# Altium PCB LPC4357_SDRAM_v0.2.PcbDoc (part 3 of 3) (continued)
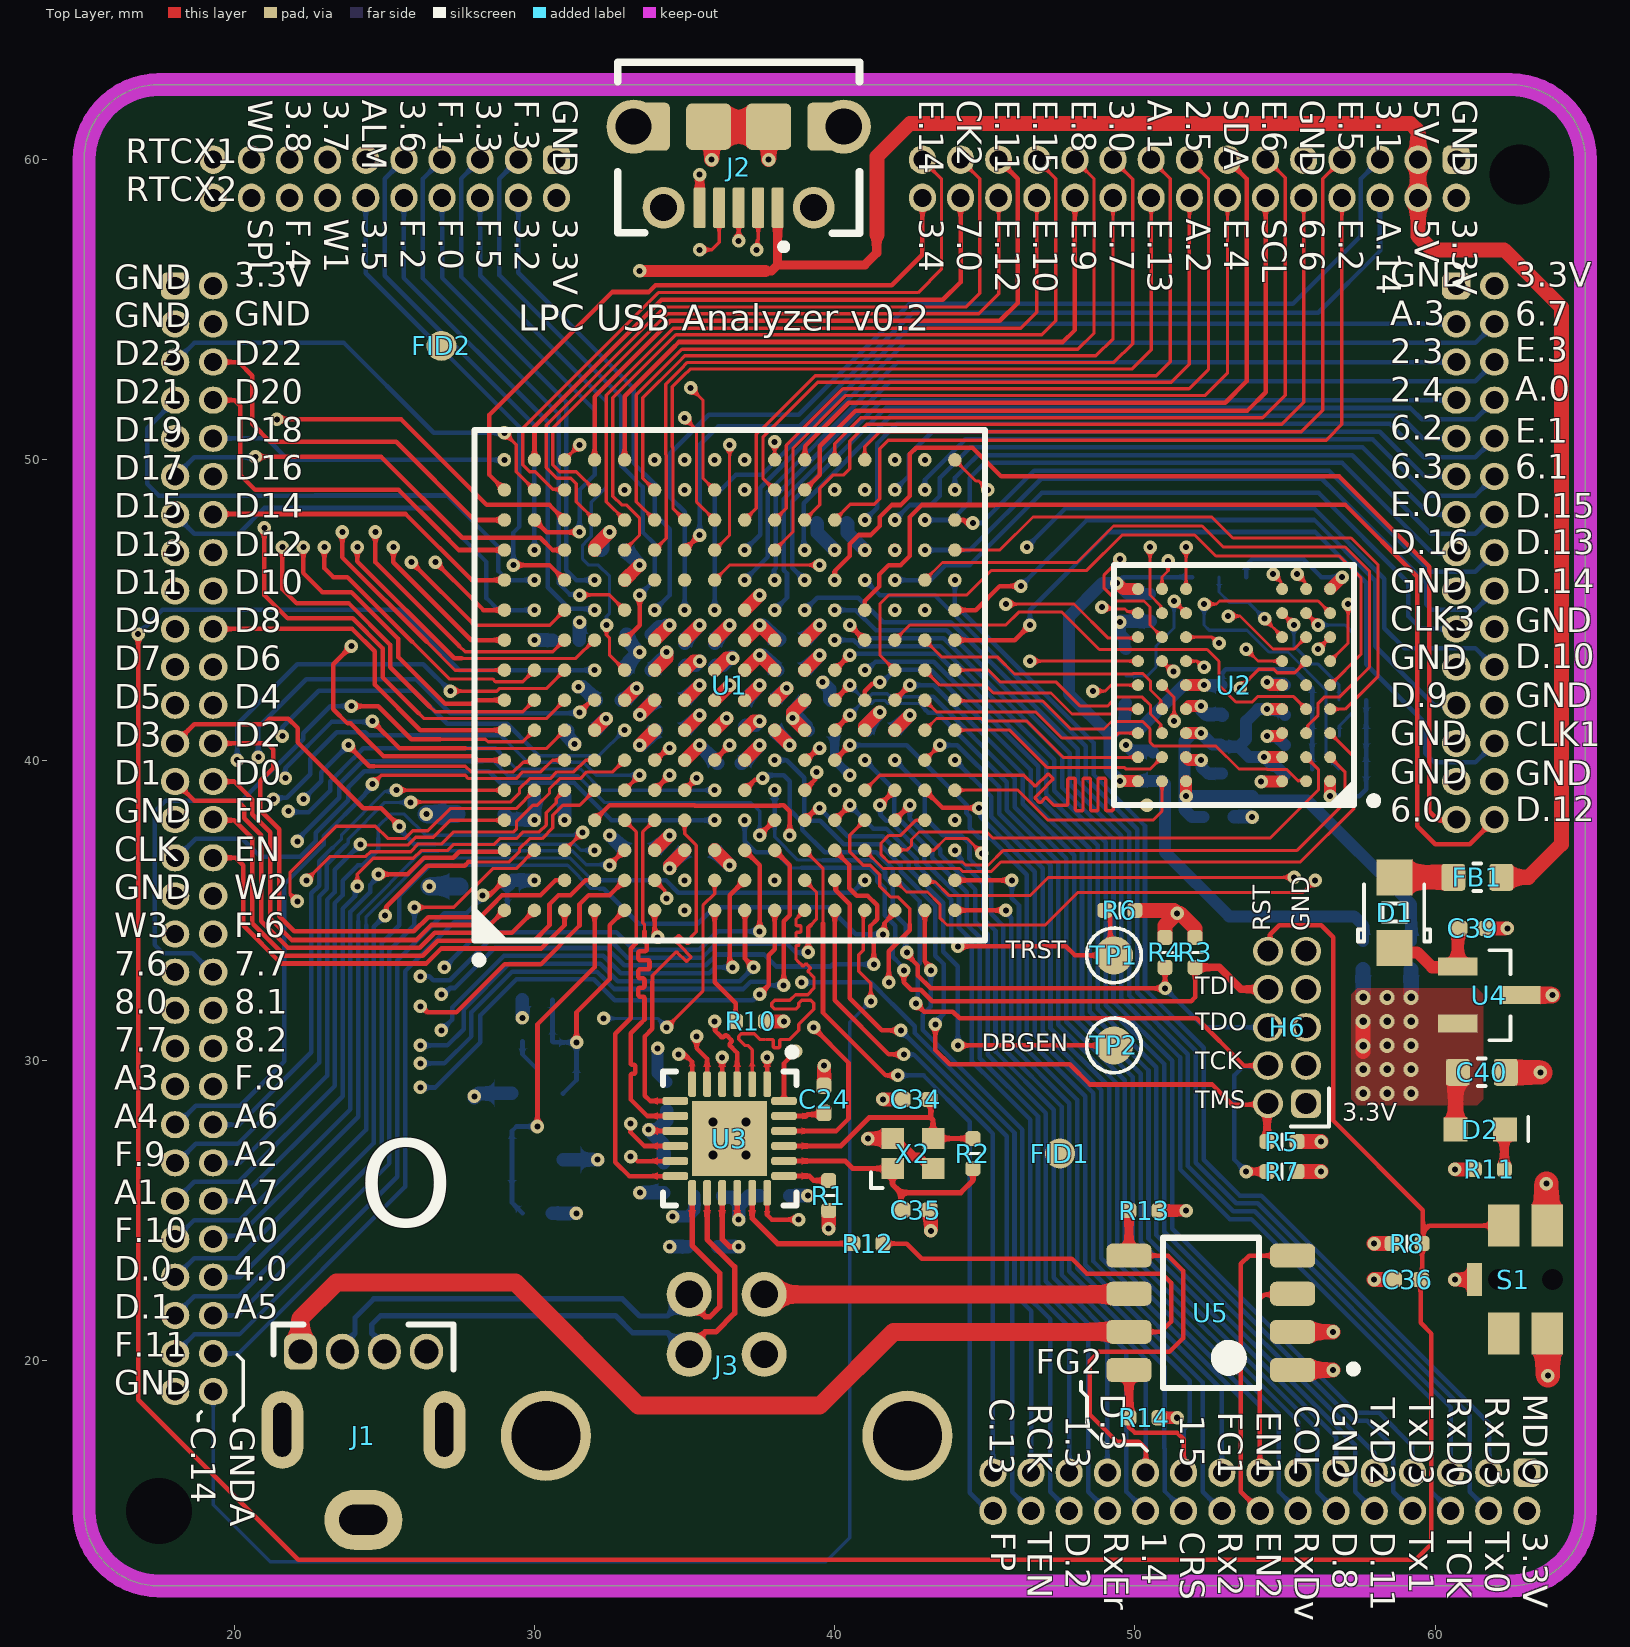
[diagram p0: Top Layer view]
## Nets (pads, with @x,y where several pads share a name; then routed paths per layer and width w, separated by ;. In a path a pad name is that pad's centre, name@x,y a point inside that pad or via, vN(x,y) a via of type N, cw(c..) or ccw(c..) an arc to the next point about the centre after c; other vN are vias at no path point) (continued)
ULPI_D0: U1.N4 U3.4 | length 16.3
  Top Layer w0.11: U1.N4@41,38 40.5,37.5 40.5,36.948 40.948,36.5 41.189,36.5 41.5,36.189 41.5,35.8 41.855,35.445 42.107,35.445 42.5,35.052 42.5,34.532
  Top Layer w0.152: U3.4@36.25,29.21 36.25,30.05 v1@36.3,30.1 ; v1(41.8,32.6) 41.8,33.641 42.5,34.341 42.5,34.532
  Int2 (PWR) w0.152: v1(36.25,30.1) 37.25,29.1 40,29.1 41.772,30.872 41.772,32.572 v1(41.8,32.6)
ULPI_D1: U1.G5 U3.5 | length 12.4
  Top Layer w0.152: U1.G5@35,39 v1(35.4,39.4) ; v1(35.4,30.8) 35.4,30.4 35.75,30.05 U3.5@35.75,29.21
  Int2 (PWR) w0.152: v1(35.4,30.8) 35.4,33.288 36.911,34.799 36.911,36.889 36.5,37.3 36.5,38.217 36.217,38.5 35.811,38.5 35.4,38.912 v1(35.4,39.4)
ULPI_D2: U1.H6 U3.6 | length 14.2
  Top Layer w0.152: v1(34.8,30.2) 35,30.2 35.25,29.95 U3.6@35.25,29.21 ; U1.H6@36,40 v1(36.5,40.5)
  Int2 (PWR) w0.152: v1(34.8,30.2) 34.8,30.66 34.9,30.76 34.9,33.159 36.024,34.283 36.024,36.639 35.549,37.114 35.549,38.392 34.989,38.952 34.989,39.57 35.419,40 36,40 v1(36.5,40.5)
ULPI_D3: U1.G4 U3.7 | length 12.8
  Top Layer w0.11: 33.926,32.626 33.926,32.826 34.127,33.027 34.695,33.595 cw(c34.726,33.564) 34.757,33.595 35.033,33.319 ccw(c35.064,33.35) 35.095,33.319 35.189,33.412 ccw(c35.158,33.443) 35.189,33.475 34.882,33.782 34.679,33.985 cw(c34.71,34.016) 34.679,34.047 34.772,34.14 cw(c34.803,34.109) 34.834,34.14 35.037,33.937 35.068,33.906 ccw(c35.099,33.937) 35.131,33.906 35.224,33.999 ccw(c35.193,34.031) 35.224,34.062 cw(c35.255,34.093) 35.224,34.124 35.271,34.171 35.39,34.29 35.39,37.162 35,37.552 U1.G4@35,38
  Top Layer w0.152: 33.926,32.626 33.926,31.053 33.672,30.8 33.672,28.828 33.85,28.65 U3.7@34.69,28.65
ULPI_D4: U1.F4 U3.8 | length 13
  Top Layer w0.11: 33.664,34.3 33.664,34.536 33.61,34.59 33.61,37.61 U1.F4@34,38
  Top Layer w0.152: 33.664,34.3 33.664,34.252 33.664,33.948 33.679,33.948 cw(c33.679,33.887) 33.74,33.887 33.74,33.704 cw(c33.679,33.704) 33.679,33.644 33.664,33.644 33.523,33.644 ccw(c33.523,33.583) 33.462,33.583 33.462,33.4 ccw(c33.523,33.4) 33.523,33.34 33.664,33.34 33.77,33.34 cw(c33.77,33.279) 33.83,33.279 33.83,33.096 cw(c33.77,33.096) 33.77,33.036 33.664,33.036 33.523,33.036 ccw(c33.523,32.975) 33.462,32.975 33.462,32.792 ccw(c33.523,32.792) 33.523,32.732 33.603,32.732 cw(c33.603,32.671) 33.664,32.671 33.664,32.488 cw(c33.603,32.488) 33.603,32.428 33.523,32.428 ccw(c33.523,32.367) 33.462,32.367 33.462,32.184 ccw(c33.523,32.184) 33.523,32.124 33.603,32.124 cw(c33.603,32.063) 33.664,32.063 33.664,31.82 33.664,31.516 33.664,31.364 33.522,31.222 33.307,31.007 33.2,30.9 33.2,30.882 33.2,30.578 33.2,30.426 33.2,30.175 33.2,29.918 ccw(c33.261,29.918) 33.261,29.857 33.296,29.857 cw(c33.296,29.797) 33.357,29.797 33.357,29.614 cw(c33.296,29.614) 33.296,29.553 33.261,29.553 ccw(c33.261,29.493) 33.2,29.493 33.2,29.249 33.2,29.097 33.2,28.7 33.75,28.15 U3.8@34.69,28.15
ULPI_D5: U1.F5 U3.10 | length 15.9
  Top Layer w0.152: v1(33.2,27.899) 33.2,27.6 33.65,27.15 U3.10@34.69,27.15 ; U1.F5@34,39 v1(34.5,39.5)
  Int2 (PWR) w0.152: v1(33.2,27.899) 33.2,28.9 33.5,29.2 33.5,32.2 35.762,34.462 35.762,36.53 35.287,37.006 35.287,38.284 34.727,38.844 34.524,39.047 34.524,39.476 v1(34.5,39.5)
ULPI_D6: U1.F6 U3.11 | length 18
  Top Layer w0.152: v1(33.2,26.8) 33.281,26.8 33.431,26.65 U3.11@34.69,26.65 ; U1.F6@34,40 34.05,40 34.45,40.4 v1(34.5,40.4)
  Int2 (PWR) w0.152: v1(33.2,26.8) 32.772,27.228 32.772,29.001 33.2,29.429 33.2,32.4 35.5,34.7 35.5,36.422 35,36.922 35,38.2 34,39.2 34,40 34.128,40.128 34.147,40.128 34.419,40.4 v1(34.5,40.4)
ULPI_D7: U1.E4 U3.12 | length 14
  Top Layer w0.11: U1.E4@33,38 33.39,37.61 33.39,34
  Top Layer w0.152: 33.39,34 33.39,33.91 33.2,33.72 33.2,31.4 32.689,30.889 32.689,26.611 33.15,26.15 U3.12@34.69,26.15
ULPI_DIR: U1.L5 U3.1 | length 12.4
  Top Layer w0.152: U3.1@37.75,29.21 v1(37.75,30.1) ; U1.L5@39,39 39.343,39.343 39.343,39.543 v1(39.4,39.6)
  Int2 (PWR) w0.152: v1(37.75,30.1) 38.872,31.222 38.872,31.46 39.545,32.133 39.545,34.744 39.518,34.771 39.518,37.382 38.869,38.031 38.869,39.069 v1(39.4,39.6)
ULPI_NXT: U1.K2 U3.3 | length 8.7
  Top Layer w0.152: v1(36,31.3) 36.018,31.282 36.018,30.982 36.15,30.85 36.214,30.786 ccw(c36.257,30.829) 36.3,30.786 36.331,30.816 cw(c36.374,30.773) 36.417,30.816 36.546,30.687 cw(c36.503,30.644) 36.546,30.602 36.515,30.571 ccw(c36.558,30.528) 36.515,30.485 36.687,30.313 36.75,30.25 36.75,30.211 U3.3@36.75,29.21
  Int2 (PWR) w0.152: v1(36,31.3) 35.8,31.5 35.8,31.755 35.8,31.847 ccw(c35.739,31.847) 35.739,31.907 35.723,31.907 cw(c35.723,31.968) 35.662,31.968 35.662,32.151 cw(c35.723,32.151) 35.723,32.211 35.739,32.211 ccw(c35.739,32.272) 35.8,32.272 35.8,32.455 ccw(c35.739,32.455) 35.739,32.515 35.723,32.515 cw(c35.723,32.576) 35.662,32.576 35.662,32.759 cw(c35.723,32.759) 35.723,32.819 35.739,32.819 ccw(c35.739,32.88) 35.8,32.88 35.8,33.123 35.8,33.3 35.907,33.407 36.122,33.622 36.337,33.837 36.552,34.052 36.767,34.267 36.982,34.482 37.03,34.53 37.982,35.482 37.982,35.982 v2(38,36)
ULPI_RESET: U1.L6 U3.22 | length 17.1
  Top Layer w0.152: U3.22@38.31,27.65 40.05,27.65 40.459,28.059 40.459,29.929 39.288,31.1 v1(39.3,31.1) ; U1.L6@39,40 39.05,40 39.45,40.4 v1(39.5,40.4)
  Int2 (PWR) w0.11: 39.533,37.738 39.11,38.161 39.11,38.691 40,39.582 40,40
  Int2 (PWR) w0.152: v1(39.3,31.1) 39.807,31.607 39.807,37.464 39.533,37.738 ; v1(39.5,40.4) 39.5,40.5 40,40
ULPI_STP: U1.M5 U3.24 | length 11.4
  Top Layer w0.152: U3.24@38.31,28.65 38.31,29.91 v1(38.7,30.3)
  Int2 (PWR) w0.152: v1(38.7,30.3) 38.718,30.318 39.218,30.318 40.072,31.172 40.072,31.406 40.069,31.408 40.069,38.031 40,38.1 v2(40,39)
USB0_D_N: J2.2 U1.G2 | length 29.5
  Top Layer w0.127: v1(37.4,57) 37.427,57.027 37.427,57.307 37.453,57.333 37.453,58.503 J2.2@37.45,58.505
  Int2 (PWR) w0.127: v2(35,36) 34.9,35.9 34.117,35.9 33.6,36.417 33.6,37.817 31.81,39.607 31.41,39.607 30.833,40.184 30.833,43.133 31,43.3 31,52.19 33.603,54.793 36.41,54.793 37.053,55.436 37.053,56.653 v1(37.4,57)
USB0_D_P: J2.3 U1.F2 | length 30.3
  Top Layer w0.127: U1.F2@34,36 34.338,35.662 34.338,35.462 v1(34.4,35.4) ; v1(36.8,57.3) J2.3@36.8,58.4
  Int2 (PWR) w0.127: v1(34.4,35.4) 33.9,35.4 33.18,36.12 33.18,37.52 31.6,39.1 31.2,39.1 30.326,39.974 30.326,43.243 30.493,43.41 30.493,52.4 33.393,55.3 36.2,55.3 36.546,55.646 36.546,56.97 36.8,57.224 v1(36.8,57.3)
USB0_ID: J2.4 U1.H2 | length 42.5
  Top Layer w0.11: v1(34.4,31.1) 35.61,32.31 35.61,35.162 36,35.552 U1.H2@36,36 ; v1(35.5,57) 35.9,57 36.15,57.25 J2.4@36.15,58.4
  Int2 (PWR) w0.11: v1(32.3,31.4) 32.3,31.5 29.5,34.3 29.5,37 28.6,37.9 28.6,49.477 28.348,49.73 28.348,51.17 28.6,51.423 28.6,54.6 31,57 v1(35.5,57)
  Bottom Layer w0.11: v1(32.3,31.4) 34.1,31.4 v1(34.4,31.1)
USB0_VBUS: FB1.1 H3.3 H3.4 J2.1 U1.F1 | length 91.7
  Top Layer w0.152: U1.F1@34,35 34,34.281 34.1,34.181 v1(34.1,34.1)
  Top Layer w0.3: 37.7,56.3 37.9,56.3 38.1,56.5 ; J2.1@38.1,58.4 38.1,56.5 ; 41.4,57.5 41.4,56.9 41,56.5 38.1,56.5
  Top Layer w0.4: v1(33.5,56.3) 37.7,56.3
  Top Layer w0.5: 41.4,57.5 41.4,60.1 42.5,61.2 59.182,61.2 59.43,60.952 H3.3@59.43,60 ; H3.3@59.353,60.077 H3.3@59.43,60 ; H3.3@59.456,60.026 H3.3@59.43,60 ; FB1.1@62.2,36.1 63.1,36.1 64.2,37.2 64.2,55.095 62.295,57 59.89,57 59.43,57.46 H3.4@59.43,58.73 H3.3@59.43,60
  Int2 (PWR) w0.152: v1(33.5,56.3) 31,56.3 28.841,54.141 28.841,51.323 28.589,51.07 28.589,49.83 28.841,49.577 28.841,38.059 30.474,36.426 30.474,35.626 32,34.1 v1(34.1,34.1)
USB1_DM: U1.G12
USB1_DP: U1.F12
VBAT: C23.1 FB6.2 U3.16 | length 2.9
  Top Layer w0.178: U3.16@36.75,25.59 36.75,24.75 v1(36.8,24.7)
  Bottom Layer w0.45: FB6.2@36.275,25.5 36.275,25.475 36.3,25.45 36.586,25.45 36.8,25.236 36.8,25.15 ; v1(36.8,24.7) 36.8,25.15 ; C23.1@37.5,25.5 37.15,25.5 36.8,25.15
VBUS: R12.2 U3.17 | length 4.5
  Top Layer w0.178: U3.17@37.25,25.59 37.25,24.75 38.1,23.9 R12.2@40.6,23.9
VDD: C27.1 C32.1 C33.1 FB5.1 R15.1 R16.1 R17.1 R18.1 R19.1 U2.A9 U2.E7 U2.J9 | length 37.5
  Top Layer w0.4: v3(49.4,45.9) 49.414,45.9 49.614,45.7 U2.J9@50.1,45.7 ; v1(49.5,39.3) U2.A9@50.1,39.3 ; U2.E7@51.7,42.5 v1@52.2,42.5
  Bottom Layer w0.152: v3@49.414,45.9 49.614,46.1 R19.1@51.9,46.1 ; C27.1@52.9,42.45 52.9,42.9 53.028,43.028 55.272,43.028 55.9,42.4 R18.1@55.9,42 R17.1@55.9,40.8 R16.1@55.9,39.7
  Bottom Layer w0.4: v3@49.414,45.9 v3(49.4,45.9) ; 49.7,41.052 50.168,41.052 51.616,42.5 v1(52.3,42.5) C27.1@52.876,42.5 ; R15.1@49.7,41.9 49.65,41.85 49.65,41.187 49.515,41.052 49.435,41.052 49.191,40.809 ; C33.1@50.5,45.534 49.766,45.534 v3(49.4,45.9) ; FB5.1@57.6,33.975 57.6,34.5 57.3,34.8 53.139,34.8 51,36.939 51,39.2 50.9,39.3 v1(49.5,39.3) 49.5,39.314 49.148,39.666 49.148,40.729 49.191,40.772 49.191,40.809 ; 49.191,40.809 47.8,42.2 47.8,44.781 48.919,45.9 v3(49.4,45.9)
VDDA: C22.1 FB2.2 U1.B4 | length 1.9
  Bottom Layer w0.45: FB2.2@29,38.2 29.172,38.028 29.672,38.028 29.7,38 v2(30,38) C22.1@30,38.8
VDDIO: C26.1 FB7.2 U3.9 | length 3.3
  Top Layer w0.178: v1(33.8,27.7) 33.85,27.65 U3.9@34.69,27.65
  Bottom Layer w0.45: C26.1@34.3,26.6 34.3,27.2 v1(33.8,27.7) 34.1,27.7 34.4,28 FB7.2@34.4,28.325
VDDQ: C28.1 C29.1 C30.1 C31.1 FB4.1 U2.A7 U2.B3 U2.C7 U2.D3 | length 22
  Top Layer w0.4: v1(51.7,38.8) U2.A7@51.7,39.3 ; U2.C7@51.7,40.9 v1(52.2,40.9) ; v1(54.303,40.105) 54.308,40.1 54.33,40.1 U2.B3@54.9,40.1 ; v1(54.4,41.7) U2.D3@54.9,41.7
  Bottom Layer w0.4: C31.1@52.281,38.1 51.9,38.1 51.648,38.352 v1@51.648,38.852 ; v1@54.39,41.71 v1(54.4,41.7) ; C30.1@55,39.5 54.7,39.8 54.595,39.8 54.595,39.814 v1(54.303,40.105) 54.298,40.1 53.8,40.1 53.45,40.45 ; C29.1@55,41.5 54.81,41.69 54.41,41.69 v1(54.4,41.7) ; FB4.1@59.2,33.975 59.2,35.2 55.746,38.654 54.054,38.654 53.907,38.8 v1(51.7,38.8) v1@51.648,38.852 ; v1@51.648,38.852 51.648,40.641 51.898,40.89 52.19,40.89 v1(52.2,40.9) 52.575,40.525 52.85,40.525 52.9,40.475 C28.1@52.9,40.45 53.45,40.45 ; 53.45,40.45 53.7,40.7 53.7,41.3 54.1,41.7 v1(54.4,41.7)
WAKEUP0: H2.17 U1.A9 | length 21.5
  Top Layer w0.11: 26.409,43.943 27.352,43 28.1,43 U1.A9@29,43
  Top Layer w0.15: v1(23.6,47.6) 23.6,46.752 26.409,43.943
  Int2 (PWR) w0.15: H2.17@20.57,60 21.205,59.365 21.205,57.895 23.6,55.5 v1(23.6,47.6)
WAKEUP1: H2.14 U1.A10 | length 17.8
  Top Layer w0.15: v1(25.3,47.1) 25.3,46.596 27.896,44 28.1,44 U1.A10@29,44
  Int2 (PWR) w0.15: H2.14@23.11,58.73 23.11,57.89 24.68,56.32 24.68,49.02 25.3,48.4 v1(25.3,47.1)
WAKEUP2: H1.34 U1.C9 | length 18.5
  Top Layer w0.11: v1(27.2,42.3) 28.748,42.3 28.838,42.39 30.407,42.39 30.508,42.492 U1.C9@31,43
  Int2 (PWR) w0.15: H1.34@19.3,35.48 19.35,35.48 19.853,35.983 19.853,36.355 20.093,36.595 20.093,39.993 v1(20.1,40)
  Bottom Layer w0.15: v1(20.1,40) 20.1,41.2 22.1,43.2 26.3,43.2 v1(27.2,42.3)
WAKEUP3: H1.35 U1.D8 | length 21.3
  Top Layer w0.152: v1(31.5,41.595) 31.784,41.879 31.799,41.879 31.919,42 U1.D8@32,42
  Int2 (PWR) w0.15: H1.35@18.03,34.21 18.08,34.21 18.715,34.845 19.945,34.845 20.113,35.013 20.113,36.247 20.353,36.487 20.353,39.383 20.767,39.797 20.767,40.067 v1(20.8,40.1)
  Bottom Layer w0.152: v1(20.8,40.1) 20.8,41.1 22.4,42.7 26.063,42.7 27.2,41.563 v1@31.463,41.563
XO: C35.1 R2.1 U3.20 X2.1 | length 8.2
  Top Layer w0.178: U3.20@38.31,26.65 40.35,26.65 40.6,26.4 X2.1@41.925,26.4 41.925,25.875 42.203,25.597 ; C35.1@42.203,25.019 42.203,25.597 ; R2.1@44.603,26.4 44.603,26.003 44.197,25.597 42.203,25.597
XTAL1: C38.1 R9.1 U1.D1 X1.1 | length 14.8
  Top Layer w0.152: v1(30.1,27.8) 30.1,31.2 32,33.1 U1.D1@32,35
  Bottom Layer w0.152: C38.1@29.6,24.911 29.25,25.261 X1.1@29.25,26.7 29.25,27.65 29.4,27.8 v1(30.1,27.8) 30.1,29.7 29.6,30.2 R9.1@29.6,30.63
XTAL2: C37.1 R9.2 U1.E1 X1.3 | length 9.2
  Top Layer w0.152: v1(31.4,30.6) 31.4,31.6 32.5,32.7 32.5,34.5 U1.E1@33,35
  Bottom Layer w0.152: C37.1@30.6,32.019 R9.2@30.6,30.63 30.63,30.6 v1(31.4,30.6) 31.4,29.35 X1.3@30.95,28.9
pads on no net: FID1.0 FID2.0 H6.7 S1.1 S1.6 S1.7 U2.E2

## Polygon pours and split planes (outlines as drawn)
3V3 on Top Layer "Vcc" (solid, pour order 6): 61.4,28.5 61.6,28.7 61.6,32.2 61.4,32.4 57.4,32.4 57.2,32.2 57.2,28.7 57.4,28.5
GND on Int1 (GND) "GND" (solid, pour order 2): 15,62.5 15,12.5 65,12.5 65,62.5
3V3 on Int2 (PWR) "Vcc" (solid, remove dead copper, pour order 0): 15,62.5 15,12.5 65,12.5 65,62.5
3V3 on Bottom Layer "Vcc" (solid, remove dead copper, pour order 4): 15,62.5 15,12.5 65,12.5 65,62.5

## Keep-outs
Keep-Out Layer:
  the board outline again, w0.762

## Silkscreen, mask and mechanical layers (free items; w line width, h text height)
Top Overlay:
  lines w0.127: 18.8,18 18.8,18.2 18.9,18.3 ; 20,18 20,18.2 20.3,18.5 20.3,20 20.1,20.2 ; 48.2,19.3 48.2,19 48.4,18.8 48.4,17.8 49,17.2 50.2,17.2 50.4,17
  text "W0" at 20.192,62 h1.4 r270
  text "3.8" at 21.462,62 h1.4 r270
  text "3.7" at 22.732,62 h1.4 r270
  text "ALM" at 24.002,62 h1.4 r270
  text "3.6" at 25.272,62 h1.4 r270
  text "F.1" at 26.542,62 h1.4 r270
  text "3.3" at 27.812,62 h1.4 r270
  text "F.3" at 29.082,62 h1.4 r270
  text "GND" at 30.352,62 h1.4 r270
  text "E.14" at 42.543,62 h1.4 r270
  text "CK2" at 43.813,62 h1.4 r270
  text "E.11" at 45.083,62 h1.4 r270
  text "E.15" at 46.353,62 h1.4 r270
  text "E.8" at 47.623,62 h1.4 r270
  text "3.0" at 48.893,62 h1.4 r270
  text "A.1" at 50.163,62 h1.4 r270
  text "2.5" at 51.433,62 h1.4 r270
  text "SDA" at 52.703,62 h1.4 r270
  text "E.6" at 53.973,62 h1.4 r270
  text "GND" at 55.243,62 h1.4 r270
  text "E.5" at 56.513,62 h1.4 r270
  text "3.1" at 57.783,62 h1.4 r270
  text "5V" at 59.053,62 h1.4 r270
  text "GND" at 60.323,62 h1.4 r270
  text "RTCX1" at 16.379,59.612 h1.4
  text "RTCX2" at 16.379,58.342 h1.4
  text "SPL" at 20.192,58.03 h1.4 r270
  text "F.4" at 21.462,58.03 h1.4 r270
  text "W1" at 22.732,58.03 h1.4 r270
  text "3.5" at 24.002,58.03 h1.4 r270
  text "F.2" at 25.272,58.03 h1.4 r270
  text "F.0" at 26.542,58.03 h1.4 r270
  text "F.5" at 27.812,58.03 h1.4 r270
  text "3.2" at 29.082,58.03 h1.4 r270
  text "3.3V" at 30.352,58.03 h1.4 r270
  text "3.4" at 42.543,58.03 h1.4 r270
  text "7.0" at 43.813,58.03 h1.4 r270
  text "E.12" at 45.083,58.03 h1.4 r270
  text "E.10" at 46.353,58.03 h1.4 r270
  text "E.9" at 47.623,58.03 h1.4 r270
  text "E.7" at 48.893,58.03 h1.4 r270
  text "E.13" at 50.163,58.03 h1.4 r270
  text "A.2" at 51.433,58.03 h1.4 r270
  text "E.4" at 52.703,58.03 h1.4 r270
  text "SCL" at 53.973,58.03 h1.4 r270
  text "6.6" at 55.243,58.03 h1.4 r270
  text "E.2" at 56.513,58.03 h1.4 r270
  text "A.14" at 57.783,58.03 h1.4 r270
  text "5V" at 59.053,58.03 h1.4 r270
  text "3.3V" at 60.323,58.03 h1.4 r270
  text "3.3V" at 20,55.5 h1.4
  text "GND" at 58.5,55.5 h1.4
  text "3.3V" at 62.67,55.5 h1.4
  text "GND" at 16,55.423 h1.4
  text "A.3" at 58.5,54.228 h1.4
  text "GND" at 20,54.2 h1.4
  text "6.7" at 62.67,54.2 h1.4
  text "GND" at 16,54.153 h1.4
  text "E.3" at 62.67,53 h1.4
  text "2.3" at 58.5,52.956 h1.4
  text "D23" at 16,52.883 h1.4
  text "D22" at 20,52.883 h1.4
  text "A.0" at 62.67,51.7 h1.4
  text "2.4" at 58.5,51.672 h1.4
  text "D21" at 16,51.613 h1.4
  text "D20" at 20,51.613 h1.4
  text "6.2" at 58.5,50.41 h1.4
  text "D19" at 16,50.343 h1.4
  text "D18" at 20,50.343 h1.4
  text "E.1" at 62.67,50.3 h1.4
  text "6.3" at 58.5,49.128 h1.4
  text "6.1" at 62.67,49.1 h1.4
  text "D17" at 16,49.073 h1.4
  text "D16" at 20,49.073 h1.4
  text "E.0" at 58.5,47.865 h1.4
  text "D15" at 16,47.803 h1.4
  text "D14" at 20,47.803 h1.4
  text "D.15" at 62.67,47.8 h1.4
  text "D.13" at 62.67,46.6 h1.4
  text "D.16" at 58.5,46.594 h1.4
  text "D13" at 16,46.533 h1.4
  text "D12" at 20,46.533 h1.4
  text "GND" at 58.5,45.31 h1.4
  text "D.14" at 62.67,45.3 h1.4
  text "D11" at 16,45.263 h1.4
  text "D10" at 20,45.263 h1.4
  text "CLK3" at 58.5,44.048 h1.4
  text "D9" at 16,43.993 h1.4
  text "D8" at 20,43.993 h1.4
  text "GND" at 62.67,44 h1.4
  text "D.10" at 62.67,42.8 h1.4
  text "GND" at 58.5,42.765 h1.4
  text "D7" at 16,42.723 h1.4
  text "D6" at 20,42.723 h1.4
  text "D.9" at 58.5,41.503 h1.4
  text "GND" at 62.67,41.5 h1.4
  text "D5" at 16,41.453 h1.4
  text "D4" at 20,41.453 h1.4
  text "GND" at 58.5,40.232 h1.4
  text "CLK1" at 62.67,40.2 h1.4
  text "D3" at 16,40.183 h1.4
  text "D2" at 20,40.183 h1.4
  text "GND" at 58.5,38.948 h1.4
  text "D1" at 16,38.913 h1.4
  text "D0" at 20,38.913 h1.4
  text "GND" at 62.67,38.9 h1.4
  text "6.0" at 58.5,37.686 h1.4
  text "D.12" at 62.67,37.7 h1.4
  text "GND" at 16,37.643 h1.4
  text "FP" at 20,37.643 h1.4
  text "CLK" at 16,36.373 h1.4
  text "EN" at 20,36.373 h1.4
  text "GND" at 16,35.103 h1.4
  text "W2" at 20,35.103 h1.4
  text "RST" at 54.7,34.3 h1 r90
  text "GND" at 56,34.3 h1 r90
  text "W3" at 16,33.833 h1.4
  text "F.6" at 20,33.833 h1.4
  text "TRST" at 45.7,33.2 h1
  text "7.6" at 16,32.563 h1.4
  text "7.7" at 20,32.563 h1.4
  text "TDI" at 52,32 h1
  text "8.0" at 16,31.293 h1.4
  text "8.1" at 20,31.293 h1.4
  text "TDO" at 52,30.8 h1
  text "DBGEN" at 44.9,30.1 h1
  text "7.7" at 16,30.023 h1.4
  text "8.2" at 20,30.023 h1.4
  text "TCK" at 52,29.5 h1
  text "A3" at 16,28.753 h1.4
  text "F.8" at 20,28.753 h1.4
  text "TMS" at 52,28.2 h1
  text "3.3V" at 56.9,27.8 h1
  text "A4" at 16,27.483 h1.4
  text "A6" at 20,27.483 h1.4
  text "F.9" at 16,26.213 h1.4
  text "A2" at 20,26.213 h1.4
  text "A1" at 16,24.943 h1.4
  text "A7" at 20,24.943 h1.4
  text "F.10" at 16,23.673 h1.4
  text "A0" at 20,23.673 h1.4
  text "O" at 27.3,23.5 h5
  text "D.0" at 16,22.403 h1.4
  text "4.0" at 20,22.403 h1.4
  text "D.1" at 16,21.133 h1.4
  text "A5" at 20,21.133 h1.4
  text "F.11" at 16,19.863 h1.4
  text "FG2" at 46.7,19.3 h1.4
  text "D.3" at 48.6,18.9 h1.4 r270
  text "MDIO" at 62.673,18.9 h1.4 r270
  text "RxD0" at 60.133,18.813 h1.4 r270
  text "RxD3" at 61.403,18.815 h1.4 r270
  text "TxD2" at 57.593,18.768 h1.4 r270
  text "TxD3" at 58.863,18.772 h1.4 r270
  text "C.13" at 44.893,18.756 h1.4 r270
  text "GND" at 56.323,18.623 h1.4 r270
  text "GND" at 16,18.593 h1.4
  text "RCK" at 46.163,18.566 h1.4 r270
  text "COL" at 55.053,18.522 h1.4 r270
  text "FG1" at 52.513,18.308 h1.4 r270
  text "EN1" at 53.783,18.311 h1.4 r270
  text "1.3" at 47.433,18.191 h1.4 r270
  text "1.5" at 51.243,18.195 h1.4 r270
  text "C.14" at 18.3,17.8 h1.4 r270
  text "GNDA" at 19.6,17.8 h1.4 r270
  text "FP" at 44.95,14.3 h1.4 r270
  text "TEN" at 46.163,14.3 h1.4 r270
  text "D.2" at 47.433,14.3 h1.4 r270
  text "RxEr" at 48.703,14.3 h1.4 r270
  text "1.4" at 49.973,14.3 h1.4 r270
  text "CRS" at 51.243,14.3 h1.4 r270
  text "Rx2" at 52.513,14.3 h1.4 r270
  text "EN2" at 53.783,14.3 h1.4 r270
  text "RxDv" at 55.053,14.3 h1.4 r270
  text "D.8" at 56.323,14.3 h1.4 r270
  text "D.11" at 57.593,14.3 h1.4 r270
  text "Tx1" at 58.863,14.3 h1.4 r270
  text "TCK" at 60.133,14.3 h1.4 r270
  text "Tx0" at 61.403,14.3 h1.4 r270
  text "3.3V" at 62.673,14.3 h1.4 r270
Bottom Overlay:
  text "Boot Mode" at 53.2,51.2 h1 r90
  text "A14" at 49.8,48.7 h1 r90
  text "A1" at 50.7,48.7 h1 r90
  text "A2" at 51.5,48.7 h1 r90
  text "A3" at 52.3,48.7 h1 r90
  text "A4" at 54.8,48.3 h1 r90
  text "A5" at 55.6,48.3 h1 r90
  text "A13" at 45.948,47.9 h1
  text "GND" at 57.9,46.5 h1
  text "VDD" at 48.9,45.7 h1
  text "DQM1" at 59.8,45.4 h1
  text "A9" at 54.7,45 h1
  text "CS0" at 45.2,44.9 h1
  text "A10" at 48.5,44.7 h1
  text "A0" at 52.4,44.25 h1
  text "A7" at 57.8,44.1 h1
  text "A6" at 55.5,44 h1 r90
  text "GND" at 49.132,43.922 h1
  text "CKE" at 54.2,43.3 h1 r90
  text "WE" at 46.1,43 h1
  text "RAS" at 51,43 h1 r90
  text "A12" at 58.2,43 h1
  text "CAS" at 52.4,42.7 h1 r90
  text "DQ7" at 48.2,42 h1
  text "Boot3" at 49.1,41.1 h1 r90
  text "DQM0" at 51.8,40.6 h1 r90
  text "CLK" at 50.6,38 h1 r90
  text "Boot0" at 57.9,38 h1
  text "Boot1" at 57.9,37.2 h1
  text "Boot2" at 57.9,36.4 h1
Board Outline:
  the board outline again, w0.1
Drill Drawing:
  drawing of 173 lines, arcs and shapes, not listed
  text "DESIGN INFORMATION" at 142.382,136.569 h1.52
  text "MIN. TRACK WIDTH:" at 126.01,131.997 h1.55
  text "0.1" at 152.5,131.997 h1.52
  text "mm" at 157.785,131.997 h1.52
  text "0.1" at 152.5,128.899 h1.52
  text "MIN. CLEARANCE:" at 126.01,128.645 h1.55
  text "mm" at 157.785,128.645 h1.52
  text "MIN. VIA PAD SIZE:" at 126.01,125.292 h1.52
  text "mm" at 157.785,125.292 h1.52
  text "0.45" at 152.5,125.279 h1.52
  text "0.05mm (2MIL)" at 143.663,121.692 h1.52
  text "MINIMUM ANNULAR RING" at 117.647,121.584 h1.52
  text "EXTERNAL" at 161.646,121.584 h1.52
  text "PER" at 122.727,118.586 h1.52
  text "IPC-D-275 CLASS 2 LEVEL C" at 128.315,118.586 h1.52
  text "+/-" at 156.148,115.716 h1.52
  text "MIL, HOLES" at 166.116,115.734 h1.52
  text "+/-" at 177.84,115.716 h1.52
  text "REGISTRATION TOLERANCES:" at 117.647,115.589 h1.52
  text "METAL" at 148.122,115.589 h1.52
  text "5" at 162.757,115.589 h1.52
  text "3" at 183.915,115.589 h1.52
  text "MIL" at 186.868,115.589 h1.52
  text "+/-" at 177.84,112.719 h1.52
  text "HOLE SIZE TOLERANCE (UNLESS OTHERWISE SPECIFIED):" at 117.647,112.592 h1.52
  text "3" at 183.915,112.592 h1.52
  text "MIL" at 186.868,112.592 h1.52
  text "MATERIAL:" at 115.748,107.272 h1.52
  text "FR-4 High Tg" at 140.804,103.707 h1.52
  text "FR-408" at 126.442,103.489 h1.52
  text "OTHER" at 164.237,103.489 h1.52
  text "X" at 136.869,103.397 h1.52
  text "62 MIL (1.6mm) +/-10%" at 134.572,99.356 h1.52
  text "THICKNESS:" at 117.647,99.248 h1.52
  text "X" at 131.317,99.248 h1.52
  text "OTHER" at 167.209,99.248 h1.52
  text "TOLERANCE:" at 117.647,95.234 h1.52
  text "X" at 138.966,95.234 h1.52
  text "ANSI IPC-6012 TYPE 3 CLASS 2" at 143.714,95.234 h1.52
  text "OTHER +/-" at 143.714,91.272 h1.52
  text "BOW & TWIST:" at 117.647,87.284 h1.52
  text "X" at 138.966,87.284 h1.52
  text "ANSI IPC-6012 TYPE 3 CLASS 2" at 143.714,87.284 h1.52
  text "OTHER +/-" at 143.714,83.258 h1.52
  text "DRILLING:" at 115.748,79.74 h1.52
  text "REFERENCE:" at 117.647,76.769 h1.52
  text "X" at 134.112,76.769 h1.52
  text "AS SHOWN" at 138.862,76.769 h1.52
  text "X" at 156.998,76.769 h1.52
  text "NC_DRILL FILES" at 160.478,76.769 h1.52
  text "PTH COPPER THICKNESS:" at 117.647,72.755 h1.52
  text "X" at 146.355,72.755 h1.52
  text "20-30 um" at 149.835,72.755 h1.52
  text "OTHER" at 168.047,72.755 h1.52
  text "BOARD FINISH:" at 115.748,68.717 h1.52
  text "X" at 156.769,65.774 h1.52
  text "SILKSCREEN:" at 119.691,65.72 h1.52
  text "X" at 143.79,65.72 h1.52
  text "TOP" at 146.99,65.72 h1.52
  text "BOTTOM" at 159.97,65.72 h1.52
  text "X" at 143.727,61.576 h1.52
  text "SILKSCREEN COLOR:" at 119.691,61.478 h1.52
  text "WHITE" at 146.99,61.478 h1.52
  text "OTHER" at 159.97,61.478 h1.52
  text "X" at 147.08,57.537 h1.52
  text "GREEN" at 150.318,57.434 h1.52
  text "OTHER" at 166.015,57.434 h1.52
  text "SOLDER RESIST COLOR:" at 119.691,57.16 h1.52
  text "X" at 147.091,53.116 h1.52
  text "MATTE" at 150.318,53.116 h1.52
  text "SEMI-GLOSS" at 166.003,53.1 h1.52
  text "IMMERSION GOLD (ENIG)" at 142.698,48.328 h1.52
  text "ENEPIG" at 176.671,48.244 h1.52
  text "SURFACE FINISH:" at 115.748,48.219 h1.52
  text "X" at 137.949,48.219 h1.52
  text "IMM. TIN/SILVER OR EQUIV" at 124.119,44.231 h1.52
  text "OTHER" at 160.478,44.231 h1.52
  text "ARRAY/PANEL:" at 115.748,39.685 h1.52
  text "CUT AND TRIM PER M1 BOARD OUTLINE" at 142.698,39.576 h1.52
  text "N.C. ROUTE" at 142.698,35.722 h1.52
  text "V. SCORE" at 164.694,35.722 h1.52
  text "X" at 137.797,35.671 h1.52
  text "CERTIFICATION:" at 115.748,32.242 h1.52
  text "MATERIALS AND WORKMANSHIP FOR ALL PCBS" at 134.163,32.242 h1.52
  text "TO MEET OR EXCEED THE REQUIREMENTS OF:" at 134.163,29.753 h1.52
  text "X" at 124.676,26.286 h1.52
  text "ANSI IPC-A-600F CLASS ->" at 128.207,26.286 h1.52
  text "X" at 169.839,26.286 h1.52
  text "2" at 172.86,26.286 h1.52
  text "1" at 164.859,26.248 h1.52
  text "3" at 181.852,26.248 h1.52
  text "X" at 145.353,22.235 h1.52
  text "RoHS" at 148.832,22.235 h1.52
  text "OTHER" at 165.2,22.235 h1.52
  text "PER ORDER" at 175.285,22.235 h1.52
  text "ALL BOARDS MUST MEET OR EXCEED UL94-V0 REQUIREMENTS." at 116.448,18.028 h1.52
  text "PCB MUST BEAR THE UL94V-0 UL REGISTERED MATERIAL ID NUMBER" at 116.448,14.98 h1.52
  text "ADDITIONAL REQUIREMENTS:" at 115.748,10.576 h1.52
  text "MICROSECTION:" at 117.647,7.655 h1.52
  text "YES" at 140.653,7.655 h1.52
  text "REQUIRED" at 162.535,3.689 h1.52
  text "BARE BOARD ELEC. TEST:" at 117.647,3.617 h1.52
  text "NONE" at 150.813,3.617 h1.52
  text "X" at 159.309,3.617 h1.52
  text "PER ORDER" at 177.572,3.617 h1.52

## Text inside footprints (layer, text, board x,y; h text height)
H6: Mechanical 15 "J1" at 55.573,30.603 h0.76 r90
J2: Mechanical 15 "PCB Edge" at 38.901,62.81 h1 r180